# Altium PCB RobotCtrl.PcbDoc (part 1 of 2)
Units mil, origin at the board's own origin, x right, y up, seen from the top; angles counter-clockwise.
Board outline 4952 x 3089 mil, 2 copper layers (Top Layer, Bottom Layer); 127 components, 102 nets, 567 pads, 140 vias.
Unrouted connection lines stored in the file: 14.
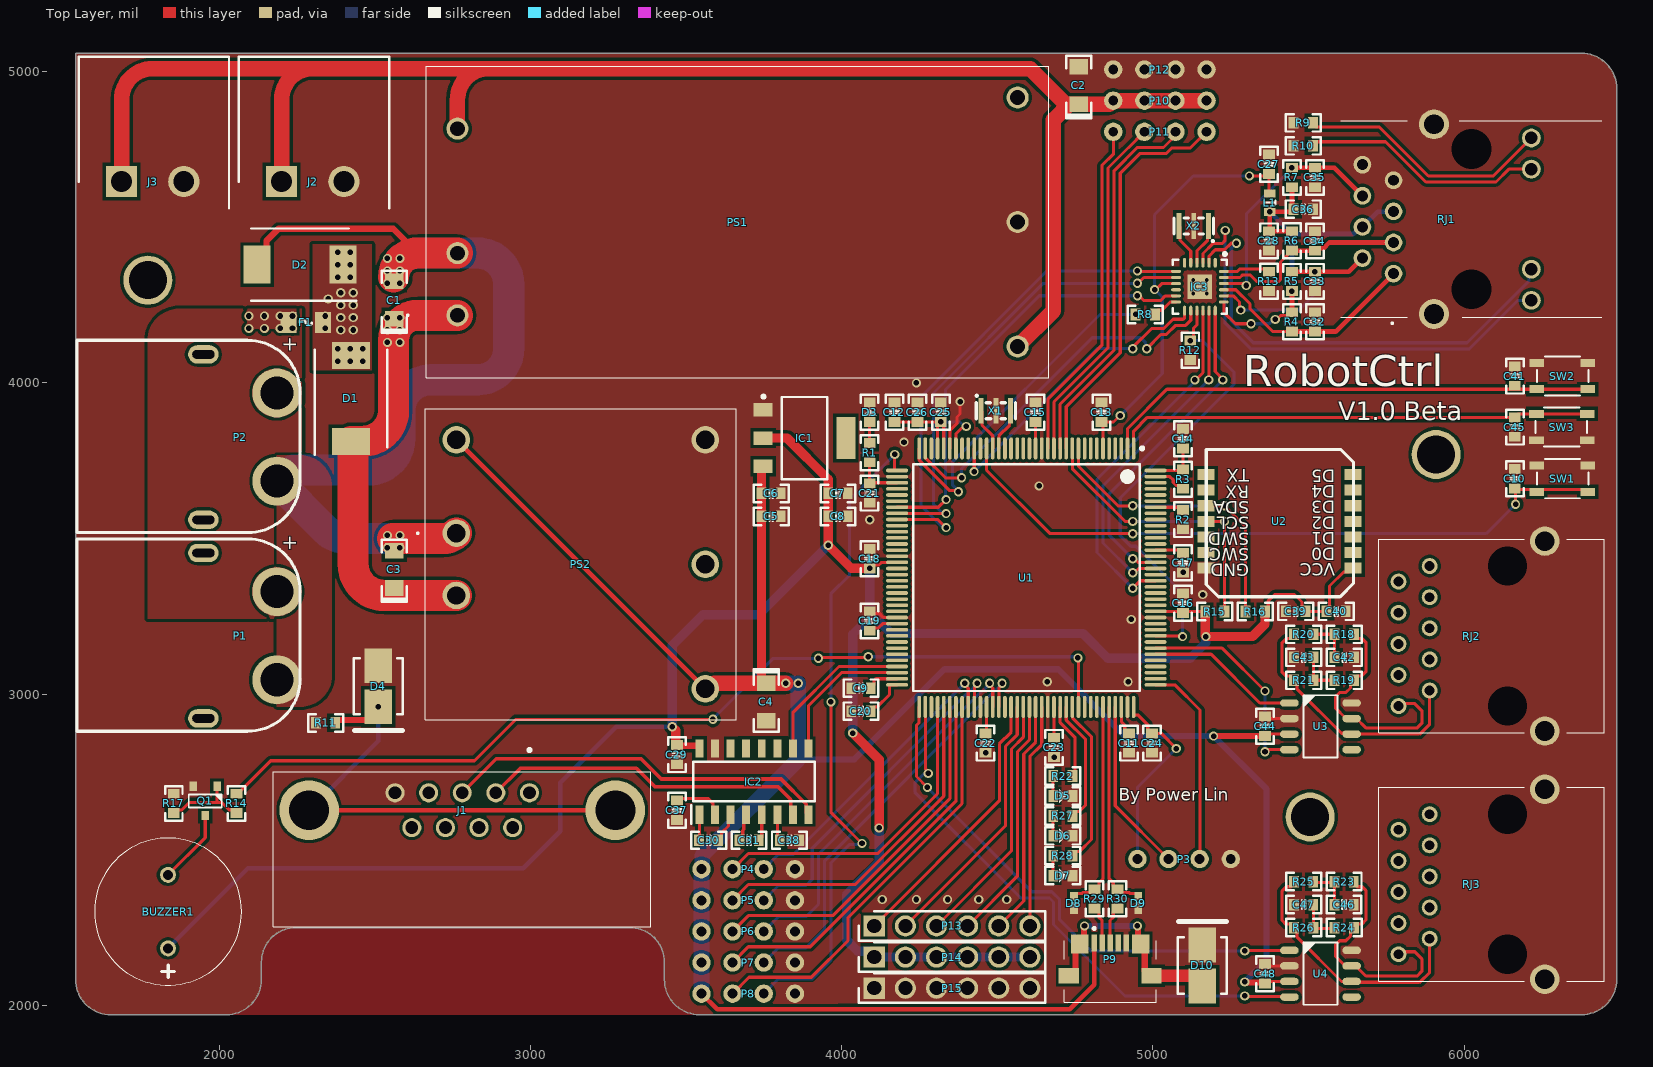
[diagram p0: Top Layer view]
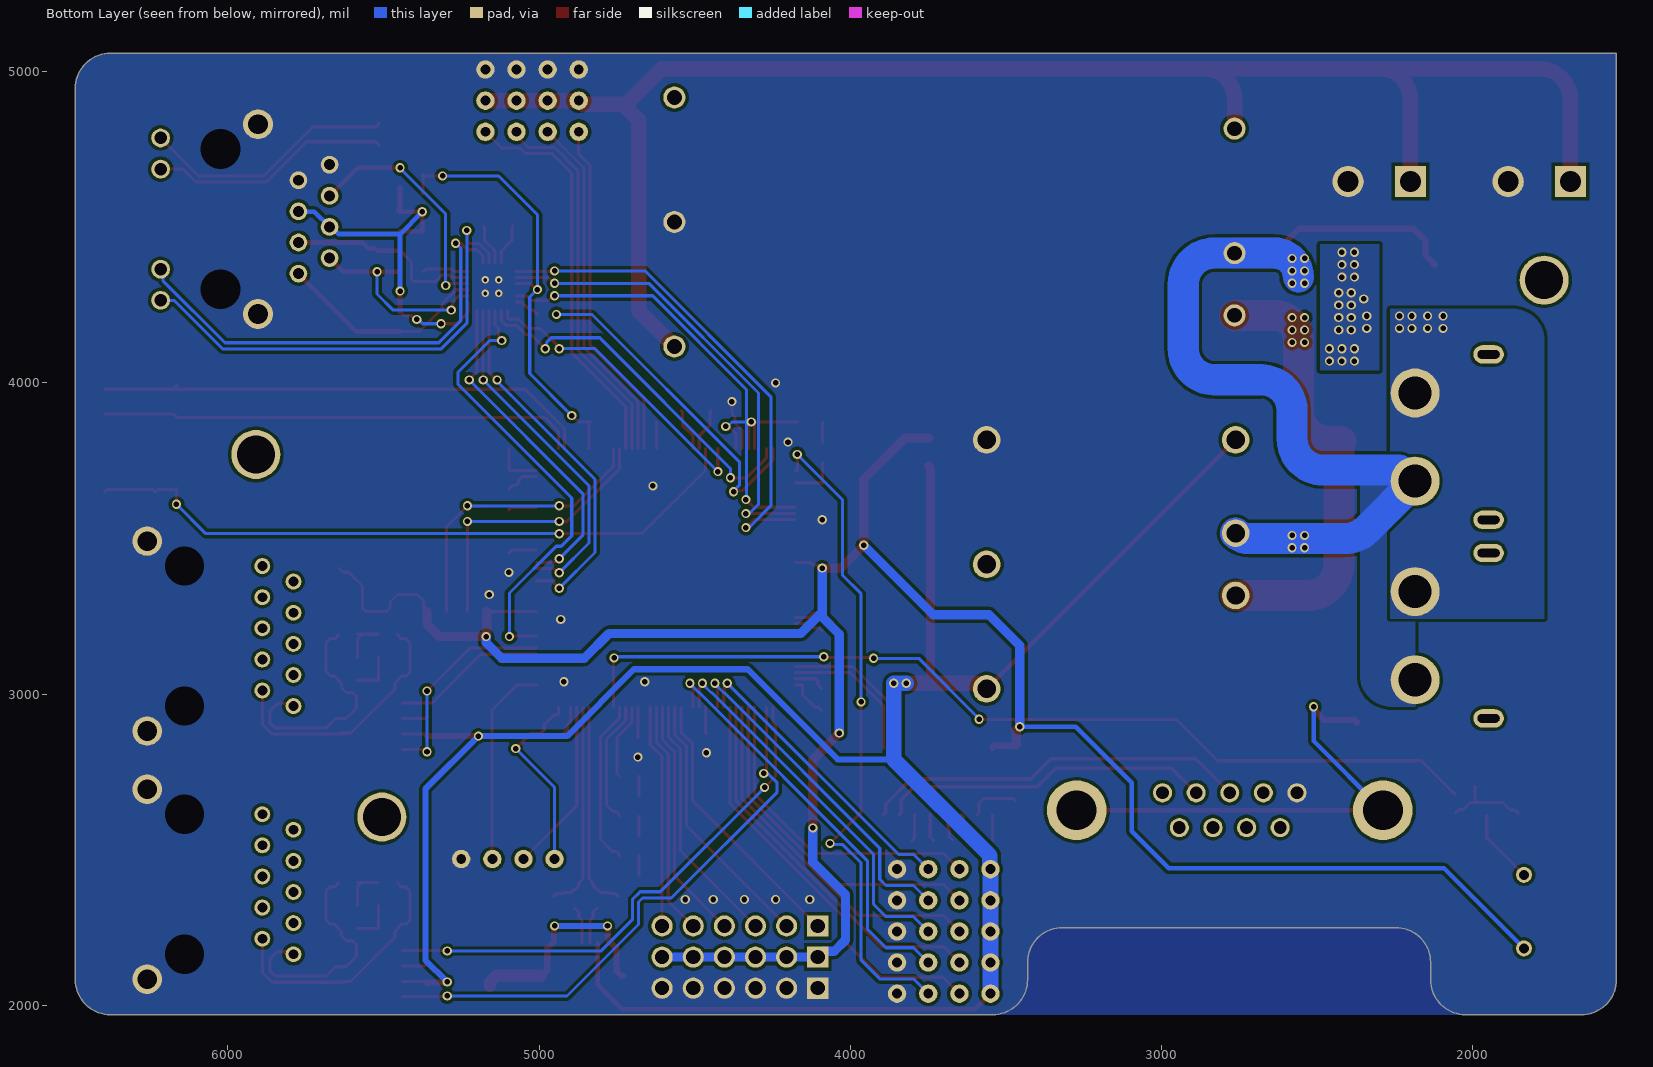
[diagram p1: Bottom Layer view, seen from below]
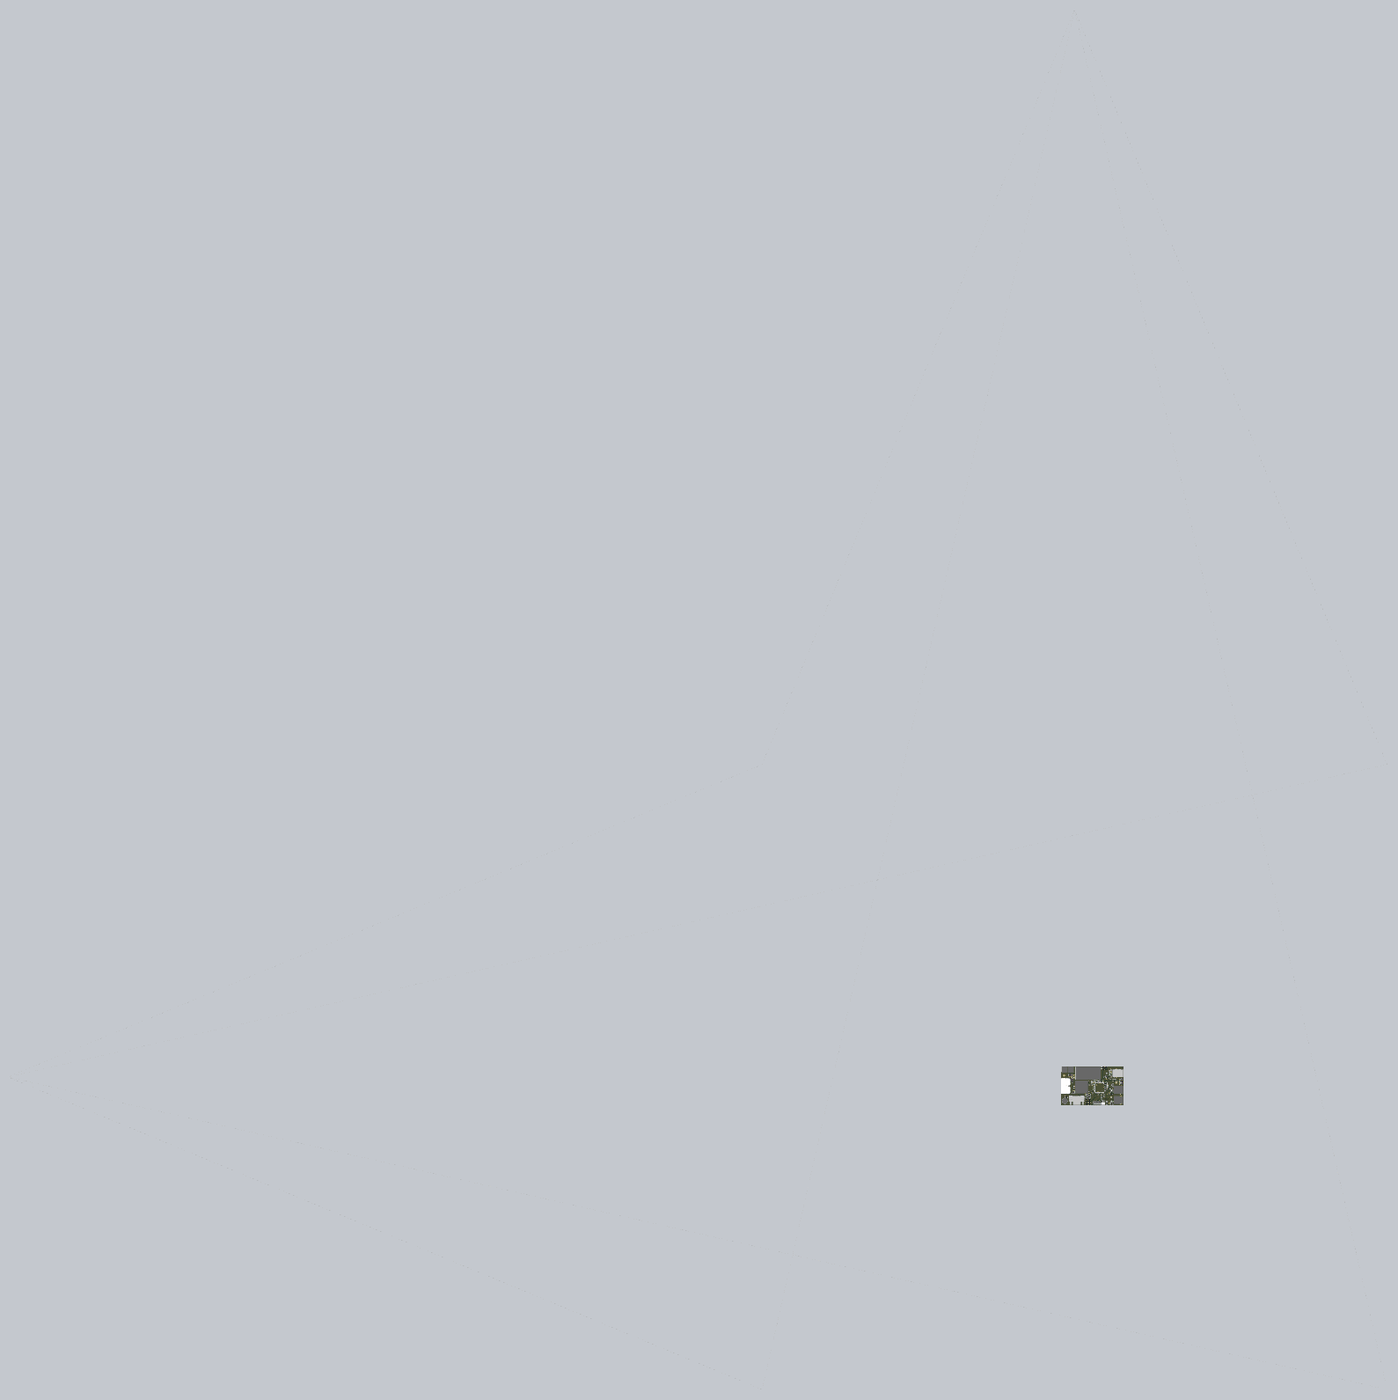
[diagram p3: 3D render of the assembled board from above, using the file's embedded part models]

## Layer stack, top to bottom
Top Solder: solder mask 0.4, Solder Resist, Dk 3.5
Top Layer: signal copper 1.4
Dielectric 1: dielectric 12.6, FR-4, Dk 4.8
Bottom Layer: signal copper 1.4
Bottom Solder: solder mask 0.4, Solder Resist, Dk 3.5

## Board outline
1650,1970 cw(c1650,2082) 1538,2082 1538,5059 6378,5059 cw(c6378,4947) 6490,4947 6490,2082 cw(c6378,2082) 6378,1970 3542,1970 cw(c3542,2082) 3430,2082 3430,2138 ccw(c3318,2138) 3318,2250 2247,2250 ccw(c2247,2138) 2135,2138 2135,2082 cw(c2023,2082) 2023,1970

## Design rules (kind name [scope] priority, off if disabled: settings)
Clearance Clearance_2 [InNamedPolygon('NONET_L01_P-001') Or InNamedPolygon('NONET_L01_P-001')] p1: gap=10 ignorepadtopadclearanceinfootprint=FALSE except(0: Arc-Hole Track-Hole SMDPad-Hole THPad-Hole Via-Hole Fill-Hole Poly-Hole Region-Hole Text-Hole)
Clearance Clearance_1 [InNamedPolygon('NONET_L01_P-001') Or InNamedPolygon('NONET_L01_P-001')] p2: gap=10 ignorepadtopadclearanceinfootprint=FALSE except(0: Arc-Hole Track-Hole SMDPad-Hole THPad-Hole Via-Hole Fill-Hole Poly-Hole Region-Hole Text-Hole)
Clearance [All] p3: gap=10 ignorepadtopadclearanceinfootprint=FALSE except(2: Arc-SMDPad Track-SMDPad SMDPad-SMDPad; 9.6: Arc-Arc Arc-Track Track-Track; 15: Arc-Fill Arc-Poly Arc-Region Track-Fill Track-Poly Track-Region SMDPad-Fill SMDPad-Poly SMDPad-Region THPad-Fill THPad-Poly THPad-Region Via-Fill Via-Poly Via-Region Fill-Fill Fill-Poly Fill-Region Poly-Poly Poly-Region Region-Region)
DiffPairsRouting [All] p1: maxlimit=10 minlimit=10 mostfreqgap=10 toplayer_minwidth=10 toplayer_maxwidth=15 toplayer_prefwidth=15 bottomlayer_minwidth=10 bottomlayer_maxwidth=15 bottomlayer_prefwidth=15 maxuncoupledlength=500
PlaneConnect [All] p1: planeconnectstyle=Direct reliefexpansion=20 reliefentries=4 reliefconductorwidth=10 reliefairgap=10
PolygonConnect [All] p1: connectstyle=Direct reliefconductorwidth=10 reliefentries=4 polygonreliefangle="90 Angle" airgapwidth=10
RoutingVias [All] p1: holewidth=17.72 width=29.53 viastyle="Through Hole" minholewidth=17.72 minwidth=29.53 maxholewidth=17.72 maxwidth=29.53
SolderMaskExpansion [All] p1: expansion=4 istentingtop=FALSE
Width [All] p1: maxlimit=1000 minlimit=10 preferedwidth=10
28 further rules are at their usual default settings.

## Classes and differential pairs
component class U_Power: C1 C2 C3 C4 C5 C6 C7 C8 D1 D2 D3 F1 IC1 J2 J3 P1 P2 PS1 PS2 R1
component class U_MCU: C9 C10 C11 C12 C13 C14 C15 C16 C17 C18 C19 C20 C21 C22 C23 C24 C25 C26 P3 R2 R3 SW1 U1 X1
component class U_Dev: BUZZER1 C27 C28 C29 C30 C31 C32 C33 C34 C35 C36 C37 C38 C39 C40 C41 C42 C43 C44 C45 C46 C47 C48 D4 D5 D6 D7 D8 D9 D10 IC2 IC3 J1 L1 P4 P5 P6 P7 P8 P9 P10 P11 P12 P13 P14 P15 Q1 R4 R5 R6 R7 R8 R9 R10 R11 R12 R13 R14 R15 R16 R17 R18 R19 R20 R21 R22 R23 R24 R25 R26 R27 R28 R29 R30 RJ1 RJ2 RJ3 SW2 SW3 U2 U3 U4 X2
differential pair USB_D: +USB_D_P -USB_D_N
differential pair CAN2: +CAN2_P -CAN2_N
differential pair CAN1: +CAN1_P -CAN1_N

## Components (designator, comment, footprint, x,y, rotation, side; value= is the part's Value field where it differs from the comment)
BUZZER1 "TMB12A12" DIP,P=7.6mm 1835,2299.2 r90 top
C1 "100nF" CAP-AUX-3216 2570,4250 r270 top
C2 "100nF" CAP-AUX-3216 4770,4940 r270 top
C3 "100nF" CAP-AUX-3216 2570,3385 r270 top
C4 "100nF" CAP-AUX-3216 3749,2990.66 r90 top
C5 "10uF" CAP-0603 3772.94,3571.23 r180 top
C6 "100nF" CAP-0603 3772.94,3645.11 r180 top
C7 "100nF" CAP-0603 3987.83,3645.11 r180 top
C8 "10uF" CAP-0603 3987.83,3571.23 r180 top
C9 "2.2uF" CAP-0603 4061.72,3018.88 r180 top
C10 "100nF" CAP-0603 6162.8,3692.23 r270 top
C11 "2.2uF" CAP-0603 4923.29,2842.59 r270 top
C12 "10uF" CAP-0603 4169.41,3905.71 r270 top
C13 "100nF" CAP-0603 4835,3905.71 r270 top
C14 "100nF" CAP-0603 5096.84,3820.67 r270 top
C15 "100nF" CAP-0603 4622.18,3905.71 r270 top
C16 "100nF" CAP-0603 5096.84,3292.12 r270 top
C17 "100nF" CAP-0603 5096.84,3422 r90 top
C18 "100nF" CAP-0603 4089.72,3435 r270 top
C19 "100nF" CAP-0603 4089.72,3235 r270 top
C20 "100nF" CAP-0603 4061.72,2945 r0 top
C21 "100nF" CAP-0603 4089.72,3645.95 r90 top
C22 "100nF" CAP-0603 4462.18,2842.59 r90 top
C23 "100nF" CAP-0603 4682.4,2828.67 r90 top
C24 "100nF" CAP-0603 4997.18,2842.59 r90 top
C25 "1uF" CAP-0603 4318.29,3905.71 r270 top
C26 "100nF" CAP-0603 4243.29,3905.71 r270 top
C27 "100nF" CAP-0603 5372.72,4702.39 r270 top
C28 "100nF" CAP-0603 5372.72,4456.2 r90 top
C29 "100nF" CAP-0603 3470.23,2805.71 r90 top
C30 "100nF" CAP-0603 3572.12,2530.4 r180 top
C31 "100nF" CAP-0603 3702,2530.4 r180 top
C32 "10pF" CAP-0603 5520.48,4196.2 r270 top
C33 "10pF" CAP-0603 5520.48,4326.08 r90 top
C34 "10pF" CAP-0603 5520.48,4455.97 r270 top
C35 "10pF" CAP-0603 5520.48,4660.08 r90 top
C36 "22nF" CAP-0603 5483.06,4558.2 r180 top
C37 "100nF" CAP-0603 3470.23,2627 r90 top
C38 "100nF" CAP-0603 3831.89,2530.4 r180 top
C39 "10uF" CAP-0603 5458.77,3266.06 r180 top
C40 "100nF" CAP-0603 5588.65,3266.06 r0 top
C41 "100nF" CAP-0603 6162.8,4022 r270 top
C42 "47nF" CAP-0603 5614.41,3118.3 r0 top
C43 "47nF" CAP-0603 5484.53,3118.3 r180 top
C44 "100nF" CAP-0603 5360.4,2896.47 r270 top
C45 "100nF" CAP-0603 6162.8,3858.1 r90 top
C46 "47nF" CAP-0603 5613.97,2323.47 r0 top
C47 "47nF" CAP-0603 5484.08,2323.47 r180 top
C48 "100nF" CAP-0603 5360.4,2101.64 r270 top
D1 "SS56" DO-214AB/SMC 2422.9,3949.96 r90 top
D2 "TPSMCJ30CA" DO-214AB/SMC 2259.22,4379.86 r180 top
D3 "RED" LED-0603 4089.72,3905.71 r90 top
D4 "SMBJ12CA" DO-214AA/SMB 2510.89,3025.27 r90 top
D5 "GREEN" LED-0603 4710.4,2672.67 r0 top
D6 "GREEN" LED-0603 4710.4,2544.67 r0 top
D7 "GREEN" LED-0603 4710.4,2416.67 r0 top
D8 "PESD0402-140" D-0402 4745.73,2328.47 r90 top
D9 "PESD0402-140" D-0402 4952.72,2328.47 r90 top
D10 "SMBJ15CA" DO-214AA/SMB 5158.71,2127.94 r270 top
F1 "7A 32V 快断" FUSE_1206 2277.22,4194.24 r0 top
IC1 "AMS1117-3.3" SOT-223 3873.39,3798.89 r270 top
IC2 "SP3232EEN-L/TR" SOIC-16_150mil 3717.89,2719 r90 top
IC3 "LAN8720A-CP-TR" QFN-24-4x4 5150.9,4309.2 r270 top
J1 "D-DMR009PF-D002" "Through Hole,P=2.77mm" 2996.44,2682.93 r0 top locked
J2 "WJ2EDGRC-5.08-2P" SHDRRA2W105P0X508_1X2_1206X1220X830P 2200.07,4647 r0 top
J3 "WJ2EDGRC-5.08-2P" SHDRRA2W105P0X508_1X2_1206X1220X830P 1685.73,4647 r0 top
L1 "220R/2A/0.05DCR" L-0603 5375.13,4608.82 r270 top
P1 "XT30/60" XT60PW-M 2184.89,3046.02 r90 top locked
P2 "XT30/60" XT60PW-M 2184.89,3684.14 r90 top locked
P3 "HDR1x4_2.54" HDR1x4_2.54_180 5250,2470 r270 top
P4 "HDR1x4_2.54" HDR1x4_2.54_180 3549.3,2437.45 r90 top
P5 "HDR1x4_2.54" HDR1x4_2.54_180 3549.3,2337.45 r90 top
P6 "HDR1x4_2.54" HDR1x4_2.54_180 3549.3,2237.45 r90 top
P7 "HDR1x4_2.54" HDR1x4_2.54_180 3549.3,2137.45 r90 top
P8 "HDR1x4_2.54" HDR1x4_2.54_180 3549.3,2037.45 r90 top
P9 "MicroQTJ" USB-MICRO 4862.29,2122 r0 top
P10 "HDR1x4_2.54" HDR1x4_2.54_180 4872.35,4907 r90 top
P11 "HDR1x4_2.54" HDR1x4_2.54_180 5172.35,4807 r270 top
P12 "HDR1x4_2.54" HDR1x4_2.54_180 5172.35,5007 r270 top
P13 "HDR1x6" HDR1X6_2.54_180 4104.44,2255 r0 top
P14 "HDR1x6" HDR1X6_2.54_180 4104.44,2155 r0 top
P15 "HDR1x6" HDR1X6_2.54_180 4104.44,2055 r0 top
PS1 "URB2412LD-30WR3" URB2412LD30WR3 2765,4217 r0 top
PS2 "URB2405YMD-15WR3" URB2405YMD15WR3 2761.65,3517 r90 top locked
Q1 "S9013" SOT-23-3 1954.51,2656.66 r90 top
R1 "4.7k" R-0603 4089.72,3775.83 r270 top
R2 "10k" R-0603 5096.84,3560.9 r90 top
R3 "120R" R-0603 5096.84,3690.78 r270 top
R4 "49.9R" R-0603 5446.6,4196.2 r90 top
R5 "49.9R" R-0603 5446.6,4326.08 r270 top
R6 "49.9R" R-0603 5446.6,4456.32 r90 top
R7 "49.9R" R-0603 5446.6,4660.08 r270 top
R8 "510R" R-0603 4975,4220 r180 top
R9 "510R" R-0603 5483.06,4835.85 r0 top
R10 "510R" R-0603 5483.06,4761.97 r0 top
R11 "10k" R-0603 2341.54,2907.6 r0 top
R12 "10k" R-0603 5120,4105 r270 top
R13 "12k" R-0603 5372.72,4326.32 r270 top
R14 "1k" R-0603 2055.46,2648.6 r270 top
R15 "4.7k" R-0603 5199,3265.23 r180 top
R16 "4.7k" R-0603 5328.88,3265.23 r0 top
R17 "10k" R-0603 1853.56,2648.6 r270 top
R18 "60R" R-0603 5614.41,3192.18 r180 top
R19 "60R" R-0603 5614.41,3044.41 r0 top
R20 "60R" R-0603 5484.53,3192.18 r180 top
R21 "60R" R-0603 5484.53,3044.41 r0 top
R22 "4.7k" R-0603 4710.4,2736.67 r0 top
R23 "60R" R-0603 5614.08,2397.36 r180 top
R24 "60R" R-0603 5614.41,2249.59 r0 top
R25 "60R" R-0603 5484.2,2397.36 r180 top
R26 "60R" R-0603 5484.53,2249.59 r0 top
R27 "4.7k" R-0603 4710.4,2608.67 r0 top
R28 "4.7k" R-0603 4710.4,2480.67 r0 top
R29 "10R" R-0603 4812.29,2342.14 r270 top
R30 "10R" R-0603 4886.17,2342.14 r270 top
RJ1 "HR911105A" HR911105A 5773.06,4351.2 r270 top
RJ2 "R-RJ45R10P-B000" RRJ45R10PB000 5789.08,2961.47 r270 top
RJ3 "R-RJ45R10P-B000" RRJ45R10PB000 5789.08,2164.06 r270 top
SW1 "KEY" KEY-4P-4.2*3.4*2.5 6315,3692.23 r180 top
SW2 "KEY" KEY-4P-4.2*3.4*2.5 6315,4022 r180 top
SW3 "KEY" KEY-4P-4.2*3.4*2.5 6314.06,3858.1 r0 top
U1 "STM32F407ZET6" STM-LQFP144_N 4593.28,3374.15 r270 top locked
U2 "WT931" WT931 6147.19,3951.15 r180 top
U3 "TJA1050" SOIC_8 5538.36,2896.47 r270 top
U4 "TJA1050" SOIC_8 5538.36,2101.65 r270 top
X1 "8MHz" SMD3213-3P 4495,3910.49 r0 top
X2 "25MHz" SMD3213-3P 5131.06,4504.2 r180 top

## Footprints (in the part's own frame and the unit in brackets; to place one, negate y for a bottom-side part, rotate by r counter-clockwise, add the part's x,y. Pads: shape width x height; smd on the part's side, far side on the other; paste and mask are expansions set on the pad)
CAP-0603 [mm]
  rect 0.8x0.96 smd: 1(-0.79,0) 2(0.79,0)
  silkscreen extent -1.42,-0.71 1.42,0.71, body extent -0.76,-0.39 0.76,0.39, height 0.9
CAP-AUX-3216 [mil] "îãµçÈÝ1206´óÐ¡"
  rect 50x60 smd: 1(44,-8) 2(-76,-8)
  silkscreen extent -111,-48 89,32, body extent -82,-45 52,26, height 67
D-0402 [mm]
  rect 0.7x0.65 smd: 1(-0.55,0) 2(0.55,0)
  silkscreen extent 0,-0.15 0,0.15, body extent -0.5,-0.25 0.5,0.25, height 0.43
DIP,P=7.6mm [mm]
  round 1.3 hole 0.8: 1(-2.952,0) 2(3.048,0)
  silkscreen extent -5.95,-6 6.04,6, body extent -5.95,-6 6.05,6, height 9.9
DO-214AA/SMB [mm]
  rect 2.85x2.25 smd: 1(1.675,0) 2(-1.675,0)
  silkscreen extent -3.6,-2 2.3,2, body extent -2.5,-1.97 2.5,1.97, height 2.44
DO-214AB/SMC [mm]
  rect 2.2x3.1 smd: 1(3.5,0) 2(-3.5,0)
  silkscreen extent -4.6,-2.95 3.97,2.95, body extent -3.97,-2.95 3.97,2.95, height 2.5
FUSE_1206 [mm]
  rect 1.3x1.7 smd: 1(-1.4,0) 2(1.4,0)
  silkscreen extent -0.53,-0.23 0.51,0.23, body extent -1.6,-0.8 1.6,0.8, height 1.01
HDR1x4_2.54_180 [mm]
  round 1.5 hole 0.813: 1(0,0) 2(0,-2.54) 3(0,-5.08) 4(0,-7.62)
  body extent -1.25,-8.89 1.25,1.27, height 8.2
HDR1X6_2.54_180 [mm]
  rect 1.725x1.725 hole 1.15: 1(0,0)
  round 1.725 hole 1.15: 2(2.54,0) 3(5.08,0) 4(7.62,0) 5(10.16,0) 6(12.7,0)
  silkscreen extent -1.27,-1.2 13.97,1.2, body extent -1.27,-1.2 13.97,1.2, height 8.58
HR911105A [mm]
  round 1.446 hole 0.89: 1(0,0) 2(-1.27,-2.54) 3(-2.54,0) 4(-3.81,-2.54) 5(-5.08,0) 6(-6.35,-2.54) 7(-7.62,0) 8(-8.89,-2.54)
  round 1.53 hole 1.02: 9(2.18,11.25) 10(-0.36,11.25) 11(-8.53,11.25) 12(-11.07,11.25)
  round 2.445 hole 1.63: MH1(3.3,3.3) MH2(-12.19,3.3)
  round 1.625 hole 3.25 unplated: MH3(1.27,6.35) MH4(-10.16,6.35)
  silkscreen extent -12.46,-4.3 4.1,17, body extent -12.39,-4.08 3.49,17.32, height 13.53
KEY-4P-4.2*3.4*2.5 [mm] "SKRPABE010"
  rect 1.2x0.65 smd: 1(-2.075,1.075) 1(2.075,1.075) 2(-2.075,-1.075) 2(2.075,-1.075)
  silkscreen extent -2.15,-1.6 2.05,1.6, body extent -2.35,-1.6 2.25,1.6, height 2.5
L-0603 [mm]
  rect 0.65x0.95 smd: 1(0,0) 2(1.5,0)
  silkscreen extent 0.57,-0.48 0.93,0.48, body extent -0.12,-0.48 1.63,0.48, height 0.35
LED-0603 [mm]
  rect 0.8x0.96 smd: 1(-0.79,0) 2(0.79,0)
  silkscreen extent -1.42,-0.71 1.42,0.71, body extent -0.81,-0.4 0.81,0.4, height 0.6
QFN-24-4x4 [mm] "QFN, 24-Leads, Body 4.00x4.00mm, Pitch 0.50mm, Thermal Pad 2.70x2.60mm, IPC Medium Density"
  oval 0.8x0.25 smd: 1(-1.95,1.25) 2(-1.95,0.75) 3(-1.95,0.25) 4(-1.95,-0.25) 5(-1.95,-0.75) 6(-1.95,-1.25) 13(1.95,-1.25) 14(1.95,-0.75) 15(1.95,-0.25) 16(1.95,0.25) 17(1.95,0.75) 18(1.95,1.25)
  oval 0.25x0.8 smd: 7(-1.25,-1.95) 8(-0.75,-1.95) 9(-0.25,-1.95) 10(0.25,-1.95) 11(0.75,-1.95) 12(1.25,-1.95) 19(1.25,1.95) 20(0.75,1.95) 21(0.25,1.95) 22(-0.25,1.95) 23(-0.75,1.95) 24(-1.25,1.95)
  rect 2x2 smd: 25(0,0)
  silkscreen extent -2.79,-2.2 2.2,2.2, body extent -2.07,-2.07 2.07,2.07, height 0.9
R-0603 [mm]
  rect 0.8x0.96 smd: 1(-0.79,0) 2(0.79,0)
  silkscreen extent -1.42,-0.71 1.42,0.71, body extent -0.76,-0.38 0.76,0.38, height 0.41
RRJ45R10PB000 [mm]
  round 1.3 hole 0.8: 1(0,0) 2(-1.27,2.54) 3(-2.54,0) 4(-3.81,2.54) 5(-5.08,0) 6(-6.35,2.54) 7(-7.62,0) 8(-8.89,2.54) 9(-10.16,0) 10(-11.43,2.54)
  round 1.6 hole 3.2 unplated: MH1(0,8.89) MH2(-11.43,8.89)
  round 2.4 hole 1.6: MH3(2.035,11.94) MH4(-13.465,11.94)
  silkscreen extent -13.61,-1.61 2.18,16.79, body extent -14.16,-1.61 2.74,16.79, height 13.45
SHDRRA2W105P0X508_1X2_1206X1220X830P [mm]
  rect 2.55x2.55 hole 1.7: 1(0,0)
  round 2.55 hole 1.7: 2(5.08,0)
  silkscreen extent -3.49,-2.2 8.77,10.2, body extent -3.49,-2.2 8.57,10, height 8.3
SMD3213-3P [mm]
  rect 0.4x2.1 smd: 1(-1.2,0) 2(0,0) 3(1.2,0)
  silkscreen extent -1.6,-0.65 1.6,1.27, body extent -1.6,-0.65 1.6,0.65, height 0.7
SOIC-16_150mil [mm]
  rect 1.5x0.65 smd: 1(-2.7,4.445) 2(-2.7,3.175) 3(-2.7,1.905) 4(-2.7,0.635) 5(-2.7,-0.635) 6(-2.7,-1.905) 7(-2.7,-3.175) 8(-2.7,-4.445) 9(2.7,-4.445) 10(2.7,-3.175) 11(2.7,-1.905) 12(2.7,-0.635) 13(2.7,0.635) 14(2.7,1.905) 15(2.7,3.175) 16(2.7,4.445)
  silkscreen extent -3.45,-4.95 1.6,5.12, body extent -3,-4.95 3,4.95, height 1.75
SOIC_8 [mil]
  oval 24x60 smd: 1(-75,-100.02) 2(-25,-100.02) 3(25,-100.02) 4(75,-100.02) 5(75,99.98) 6(25,99.98) 7(-25,99.98) 8(-75,99.98)
  silkscreen extent -100,-55 100,55, body extent -96,-118 96,118, height 69
SOT-23-3 [mil]
  rect 30x24 smd: 1(47,-38) 2(47,38) 3(-47,0)
  silkscreen extent -21,-53 21,53, body extent -55,-57 55,57, height 51
SOT-223 [mm]
  rect 1.1x1.55 smd: 1(-2.91,-3.197) 2(-0.61,-3.197) 3(1.69,-3.197)
  rect 3.45x1.55 smd: 4(-0.61,3.553)
  silkscreen extent -4.11,-3.3 2.74,2.03, body extent -3.88,-3.38 2.62,3.58, height 1.7
STM-LQFP144_N [mm] "Thin QFP, 144-Leads, Body 20x20mm, Pitch 0.5mm, IPC Medium Density"
  oval 1.8x0.3 smd: 1(-10.55,8.75) 2(-10.55,8.25) 3(-10.55,7.75) 4(-10.55,7.25) 5(-10.55,6.75) 6(-10.55,6.25) 7(-10.55,5.75) 8(-10.55,5.25) 9(-10.55,4.75) 10(-10.55,4.25) 11(-10.55,3.75) 12(-10.55,3.25) 13(-10.55,2.75) 14(-10.55,2.25) 15(-10.55,1.75) 16(-10.55,1.25) 17(-10.55,0.75) 18(-10.55,0.25) 19(-10.55,-0.25) 20(-10.55,-0.75) 21(-10.55,-1.25) 22(-10.55,-1.75) 23(-10.55,-2.25) 24(-10.55,-2.75) 25(-10.55,-3.25) 26(-10.55,-3.75) 27(-10.55,-4.25) 28(-10.55,-4.75) 29(-10.55,-5.25) 30(-10.55,-5.75) 31(-10.55,-6.25) 32(-10.55,-6.75) 33(-10.55,-7.25) 34(-10.55,-7.75) 35(-10.55,-8.25) 36(-10.55,-8.75) 73(10.55,-8.75) 74(10.55,-8.25) 75(10.55,-7.75) 76(10.55,-7.25) 77(10.55,-6.75) 78(10.55,-6.25) 79(10.55,-5.75) 80(10.55,-5.25) 81(10.55,-4.75) 82(10.55,-4.25) 83(10.55,-3.75) 84(10.55,-3.25) 85(10.55,-2.75) 86(10.55,-2.25) 87(10.55,-1.75) 88(10.55,-1.25) 89(10.55,-0.75) 90(10.55,-0.25) 91(10.55,0.25) 92(10.55,0.75) 93(10.55,1.25) 94(10.55,1.75) 95(10.55,2.25) 96(10.55,2.75) 97(10.55,3.25) 98(10.55,3.75) 99(10.55,4.25) 100(10.55,4.75) 101(10.55,5.25) 102(10.55,5.75) 103(10.55,6.25) 104(10.55,6.75) 105(10.55,7.25) 106(10.55,7.75) 107(10.55,8.25) 108(10.55,8.75)
  oval 0.3x1.8 smd: 37(-8.75,-10.55) 38(-8.25,-10.55) 39(-7.75,-10.55) 40(-7.25,-10.55) 41(-6.75,-10.55) 42(-6.25,-10.55) 43(-5.75,-10.55) 44(-5.25,-10.55) 45(-4.75,-10.55) 46(-4.25,-10.55) 47(-3.75,-10.55) 48(-3.25,-10.55) 49(-2.75,-10.55) 50(-2.25,-10.55) 51(-1.75,-10.55) 52(-1.25,-10.55) 53(-0.75,-10.55) 54(-0.25,-10.55) 55(0.25,-10.55) 56(0.75,-10.55) 57(1.25,-10.55) 58(1.75,-10.55) 59(2.25,-10.55) 60(2.75,-10.55) 61(3.25,-10.55) 62(3.75,-10.55) 63(4.25,-10.55) 64(4.75,-10.55) 65(5.25,-10.55) 66(5.75,-10.55) 67(6.25,-10.55) 68(6.75,-10.55) 69(7.25,-10.55) 70(7.75,-10.55) 71(8.25,-10.55) 72(8.75,-10.55) 109(8.75,10.55) 110(8.25,10.55) 111(7.75,10.55) 112(7.25,10.55) 113(6.75,10.55) 114(6.25,10.55) 115(5.75,10.55) 116(5.25,10.55) 117(4.75,10.55) 118(4.25,10.55) 119(3.75,10.55) 120(3.25,10.55) 121(2.75,10.55) 122(2.25,10.55) 123(1.75,10.55) 124(1.25,10.55) 125(0.75,10.55) 126(0.25,10.55) 127(-0.25,10.55) 128(-0.75,10.55) 129(-1.25,10.55) 130(-1.75,10.55) 131(-2.25,10.55) 132(-2.75,10.55) 133(-3.25,10.55) 134(-3.75,10.55) 135(-4.25,10.55) 136(-4.75,10.55) 137(-5.25,10.55) 138(-5.75,10.55) 139(-6.25,10.55) 140(-6.75,10.55) 141(-7.25,10.55) 142(-7.75,10.55) 143(-8.25,10.55) 144(-8.75,10.55)
  silkscreen extent -10.67,-9.25 9.25,9.58, body extent -10,-10 10,10, height 1.6
"Through Hole,P=2.77mm" [mil]
  round 61.46 hole 40.98: 1(0,0) 2(-107.99,0) 3(-215.98,0) 4(-323.98,0) 5(-431.97,0) 6(-54.02,-111.97) 7(-162.01,-111.97) 8(-270,-111.97) 9(-377.99,-111.97)
  round 192.01 hole 128: MH1(-707.99,-55.98) MH2(276.02,-55.98)
  silkscreen extent -822,-430 391,141, body extent -826,-679 394,65, height 477
URB2405YMD15WR3 [mm]
  round 2.25 hole 1.5: 1(7.62,0) 2(0,0) 3(-5.08,0) 4(-12.7,-20.32) 5(-2.54,-20.32) 6(7.62,-20.32)
  silkscreen extent -15.24,-22.86 10.16,3.2, body extent -15.24,-22.86 10.16,2.54, height 12.3
URB2412LD30WR3 [mm]
  round 1.8 hole 1.2: 1(0,15.24) 2(0,5.08) 3(0,0) 4(45.72,-2.54) 5(45.72,7.62) 6(45.72,17.78)
  silkscreen extent -4.1,-5.08 48.26,20.32, body extent -2.54,-5.08 48.26,20.32, height 16.9
USB-MICRO [mm]
  rect 0.45x1.38 smd: 1(-1.3,1.975) 2(-0.65,1.975) 3(0,1.975) 4(0.65,1.975) 5(1.3,1.975)
  rect 1.65x1.3 smd: EH(-3.375,-0.685) EH(3.375,-0.685)
  rect 1.425x1.55 smd: EH(-2.487,1.89) EH(2.487,1.89)
  silkscreen extent -3.75,-2.84 3.75,3.26, body extent -3.9,-2.5 3.9,2.5, height 2.72
WT931 [mm]
  rect 1.4x0.9 smd: 1(12.812,13.866) 2(12.812,7.516) 3(12.812,8.786) 4(12.812,10.056) 5(12.812,6.246) 5(12.812,11.326) 6(12.812,12.596) 8(24.812,13.866) 9(24.812,12.596) 10(24.812,11.326) 11(24.812,10.056) 12(24.812,8.786) 13(24.812,7.516) 14(24.812,6.246)
  silkscreen extent 12.79,4.21 24.79,16.21, body extent 12.83,4.19 24.77,16.13, height 1.5
XT60PW-M [mm]
  oval 1.5x2.5 hole 0.7 slot 1.8 at 90 deg: 0(-3.15,6) 0(10.35,6)
  round 4 hole 2.7: 1(7.2,0) 2(0,0)
  silkscreen extent -4.2,-1.9 11.5,16.3, body extent -4.3,-1.95 11.6,16.35, height 8.45

## Part data
BUZZER1: library part BUZZER, "TMB12A12 有源蜂鸣器"
C1 C2 C3 C4: library part CAP-POL, "KM101M050F115A", Package=3528, SuppliersPartNumber=C16133, ComponentLink1Description=供应商链接, ComponentLink1URL=http://www.szlcsc.com/product/details_16815.html, Supplier=LC
C5 C6 C7 C8 C9 C10 C11 C12 C13 C14 C15 C16 C17 C18 C19 C20 C21 C22 C23 C24 C25 C26 C27 C28 C29 C30 C31 C32 C33 C34 C35 C36 C37 C38 C39 C40 C41 C42 C43 C44 C45 C46 C47 C48: library part CAP, "贴片电容", Package=0402, SuppliersPartNumber=C52923, ComponentLink1Description=供应商链接, ComponentLink1URL=http://www.szlcsc.com/product/details_53938.html, Supplier=LC
D1: library part DIODE_Schottky, "肖特基二极管"
D2 D4 D8 D9 D10: library part TVS_C
D3 D5 D6 D7: library part LED, "发光二极管", Package=0603, SuppliersPartNumber=C2290, ComponentLink1Description=供应商链接, ComponentLink1URL=http://www.szlcsc.com/product/details_2663.html, Supplier=LC
F1: library part Fuse, "0437007.WR"
IC1: library part AMS1117, "AMS1117-3.3 1.0A", Manufacturer_Name=Nexperia, Manufacturer_Part_Number=SI2302DS, Mouser Part Number=N/A, RS Part Number=7983053P, Datasheet Link=https://assets.nexperia.com/documents/data-sheet/SI2302DS.pdf, Height=1.1mm, Mouser Price/Stock=https://www.mouser.com/Search/Refine.aspx?Keyword=N%2FA, RS Price/Stock=http://uk.rs-online.com/web/p/products/7983053P
IC2: library part SP3232EEN, "RS232 芯片", Manufacturer_Name=MaxLinear, Mouser Part Number=701-SP3232EEN-L/TR, Arrow Part Number=SP3232EEN-L/TR, Arrow Price/Stock=https://www.arrow.com/en/products/sp3232een-ltr/maxlinear-inc, Datasheet Link=https://www.maxlinear.com/ds/sp3222e_sp3232e.pdf, Height=1.75mm, Manufacturer_Part_Number=SP3232EEN-L/TR, Mouser Price/Stock=https://www.mouser.co.uk/ProductDetail/MaxLinear/SP3232EEN-L-TR?qs=Hy8V1%2FADhVKNh9v9NvoeCw%3D%3D
IC3: "Integrated Circuit", Manufacturer_Name=Microchip, Mouser Part Number=886-LAN8720A-CP-TR, Arrow Part Number=LAN8720A-CP-TR, Arrow Price/Stock=https://www.arrow.com/en/products/lan8720a-cp-tr/microchip-technology?region=nac, Datasheet Link=https://componentsearchengine.com/Datasheets/1/LAN8720A-CP-TR.pdf, Height=1mm, Manufacturer_Part_Number=LAN8720A-CP-TR, Mouser Price/Stock=https://www.mouser.co.uk/ProductDetail/Microchip-Technology/LAN8720A-CP-TR?qs=pA5MXup5wxG3QiSvrqf%2FHQ%3D%3D
J1: library part DB9, "D-Sub 连接器", Arrow Part Number=5747844-5, Manufacturer_Name="TE Connectivity", Mouser Part Number=571-5747844-5, Arrow Price/Stock=https://www.arrow.com/en/products/5747844-5/te-connectivity, Datasheet Link=http://www.te.com/commerce/DocumentDelivery/DDEController?Action=srchrtrv&DocNm=82068_AMPLIMITE_Right-Angle_Posted_Conn&DocType=Catalog+Section&DocLang=English&PartCntxt=, Height=12.9286mm, Manufacturer_Part_Number=5747844-5, Mouser Price/Stock=https://www.mouser.co.uk/ProductDetail/TE-Connectivity/5747844-5?qs=x6EjVpvqMVPrkQsJHUlJGw%3D%3D
J2 J3: "Connector", Manufacturer_Name="Ningbo Kangnex", Datasheet Link=https://datasheet.lcsc.com/szlcsc/Ningbo-Kangnex-Elec-WJ2EDGRC-5-08-2P_C3697.pdf, Height=8.3mm, Manufacturer_Part_Number=WJ2EDGRC-5.08-2P
L1: library part BEAD, "BLM18KG221SN1D", Package=0402, SuppliersPartNumber=C32041, ComponentLink1Description=供应商链接, ComponentLink1URL=http://www.szlcsc.com/product/details_33003.html, Supplier=LC
P3 P4 P5 P6 P7 P8 P10 P11 P12: "Header"
P9: library part USB_MICRO, "USB_MICRO"
P13 P14 P15: library part HDR1x6_2.54, "Header"
PS1: "金升阳隔离电源", Manufacturer_Name=Mornsun, Manufacturer_Part_Number=URB2412LD-30WHR3, Datasheet Link=https://4donline.ihs.com/images/VipMasterIC/IC/MNSN/MNSN-S-A0002273855/MNSN-S-A0002273855-1.pdf?hkey=EF798316E3902B6ED9A73243A3159BB0, Height=16.8mm
PS2: "金升阳隔离电源", Manufacturer_Name=Mornsun, Manufacturer_Part_Number=URB2405YMD-10WR3, Datasheet Link=https://www.mornsun-power.com/html/pdf/URB2405YMD-10WR3.html, Height=12.2mm
Q1: library part BJT_NPN
R1 R2 R3 R4 R5 R6 R7 R8 R9 R10 R11 R12 R13 R14 R15 R16 R17 R18 R19 R20 R21 R22 R23 R24 R25 R26 R27 R28 R29 R30: library part RES, "贴片电阻", Package=0805, SuppliersPartNumber=C17798, Supplier=LC
RJ1: library part RJ45_LED
RJ2 RJ3: library part RJ45
SW1 SW2 SW3: "按键开关"
U1: "ARM Cortex-M4 32-bit MCU+FPU, 210 DMIPS, 512 kB Flash, 192 kB Internal RAM, 114 I/Os, 144-pin LQFP, -40 to 85 degC, Tray", I/Os (High Current)=114, Manufacturer=STMicroelectronics, Operating Frequency(F) (Processor speed) (MHz)=168, Supplier Part Number 1=497-11903-ND, Supply Voltage(Vcc) max (V)=3.6, Supply Voltage(Vcc) min (V)=1.8, ComponentLink1Description="Manufacturer URL", ComponentLink1URL=http://www.st.com/web/en/home.html, ComponentLink2Description=Datasheet, ComponentLink2URL=http://www.st.com/st-web-ui/static/active/en/resource/technical/document/datasheet/DM00037051.pdf, ComponentLink3Description="Package Specification", ComponentLink3URL=http://www.st.com/st-web-ui/static/active/en/resource/technical/document/datasheet/DM00037051.pdf, Core="ARM Cortex-M4", D/A Converter=2x12-bit, DatasheetVersion="Rev. 4", FLASH Size (Prog) (kB)=512, Internal RAM Size (kB)=192, Mounting Technology="Surface Mount", PackageDescription="144-Pin Low Profile Quad Flat Package, 20 x 20 mm Body, 0.5 mm Pitch", PackageReference=LQFP144, PackageVersion="Rev. 4, 06/2013", Packing=Tray, PartNumber=STM32F407ZET6, Supplier 1=Digi-Key, Supplier 2=Farnell, Supplier 3=Newark, Supplier 4=Newark, Supplier 5=Mouser, Supplier Part Number 2=2215229, Supplier Part Number 3=46W2203, Supplier Part Number 4=87T3795, Supplier Part Number 5=511-STM32F407ZET6
U2: "陀螺仪模组"
U3 U4: "CAN 控制器（5V）"
X1: library part XTAL, "CSTCE8M00G15C99-R0"
X2: library part XTAL, "CSTCE25M00G51-R0"

## Free pads (board coordinates)
  round 157.48 hole 122.05: 2(1770,4330) 2(5505,2605) 2(5910,3770)

## Via types
v1: diameter 29.53, hole 17.72, Top Layer to Bottom Layer, 136 vias
v2: diameter 23.86, hole 11.81, Top Layer to Bottom Layer, 4 vias

## Nets (pads, with @x,y where several pads share a name; then routed paths per layer and width w, separated by ;. In a path a pad name is that pad's centre, name@x,y a point inside that pad or via, vN(x,y) a via of type N, cw(c..) or ccw(c..) an arc to the next point about the centre after c; other vN are vias at no path point)
CAN1_N: R20.2 R21.1 RJ2.2 U3.6 | length 846.9
  Top Layer w10: R20.2@5453.42,3192.18 5453.42,3189.03 5442.68,3178.28 5428.28,3178.28 5415,3165 5415,3070 5426.69,3058.31 5442.68,3058.31 5453.42,3047.56 R21.1@5453.42,3044.41 5462.43,3035.4 5462.43,3017.56 5605.86,2874.14 5623.04,2874.14 5635.67,2874.14 U3.6@5638.35,2871.47 ; U3.6@5623.04,2871.64 5638.35,2871.64 5852.5,2871.64 ; 5857.5,2871.47 5889.08,2903.05 RJ2.2@5889.08,3011.47
CAN1_P: R18.1 R19.2 RJ2.1 U3.7 | length 761
  Top Layer w10: R18.1@5645.51,3192.18 5645.51,3189.03 5656.26,3178.28 5672.25,3178.28 5683.94,3166.59 5683.94,3071.59 5670.65,3058.31 5656.26,3058.31 5645.51,3047.56 R19.2@5645.51,3044.41 5634.76,3033.66 5634.76,3019.76 5620,3005 5600,3005 5586.17,2991.17 5586.17,2955.64 5620.35,2921.47 U3.7@5638.35,2921.47 5654.2,2921.47 5684.2,2891.47 5849.22,2891.47 5864.08,2906.33 5864.08,2946.47 5841.2,2969.35 5796.96,2969.35 RJ2.1@5789.08,2961.47
CAN2_N: R25.2 R26.1 RJ3.2 U4.6 | length 846.9
  Top Layer w10: R25.2@5453.42,2394.77 5453.42,2391.62 5442.68,2380.87 5428.28,2380.87 5415,2367.59 5415,2272.59 5426.69,2260.9 5442.68,2260.9 5453.42,2250.15 5453.42,2247 5462.43,2237.99 5462.43,2220.15 5605.86,2076.73 5623.04,2076.73 5635.67,2076.73 U4.6@5638.35,2074.05 ; U4.6@5623.04,2074.23 5638.35,2074.23 5852.5,2074.23 ; 5857.5,2074.05 5889.08,2105.63 RJ3.2@5889.08,2214.06
CAN2_P: R23.1 R24.2 RJ3.1 U4.7 | length 761
  Top Layer w10: R23.1@5645.51,2394.77 5645.51,2391.62 5656.26,2380.87 5672.25,2380.87 5683.94,2369.18 5683.94,2274.18 5670.65,2260.9 5656.26,2260.9 5645.51,2250.15 5645.51,2247 5634.76,2236.25 5634.76,2222.35 5620,2207.59 5600,2207.59 5586.17,2193.76 5586.17,2158.23 5620.35,2124.05 5638.35,2124.05 5654.2,2124.05 5684.2,2094.06 5849.22,2094.06 5864.08,2108.92 5864.08,2149.06 5841.2,2171.94 5796.96,2171.94 RJ3.1@5789.08,2164.06
GBAT: C1.2 C3.2 D2.1 P1.2 P2.2 PS1.2 PS2.2 | length 3433.1
  Top Layer w20: D2.1@2121.43,4379.86 2151.52,4409.96 2151.52,4456.52 2190,4495 2558.87,4495 2636.87,4417
  Top Layer w100: 2557,3500 2720.61,3500 ccw(c2720.61,3558.04) PS2.2@2761.65,3517 ; C1.2@2560.12,4340.25 cw(c2636.87,4340.25) 2636.87,4417 PS1.2@2765,4417
  Bottom Layer w100: 2560,4340 cw(c2637,4340) 2637,4417 PS1.2@2765,4417 2830,4417 cw(c2830,4317) 2930,4317 2930,4110 cw(c2830,4110) 2830,4010 2680,4010 ccw(c2680,3910) 2580,3910 2580,3820 cw(c2480,3820) 2480,3720 2236.3,3720 2200.44,3684.14 P2.2@2184.89,3684.14 2339.73,3529.29 ccw(c2410.44,3600) 2410.44,3500 2720.61,3500 ccw(c2720.61,3558.04) PS2.2@2761.65,3517
  other v1: 2540,3470 2580,3470 2540,3510 2580,3510 2540,4320 2580,4320 2540,4360 2580,4360 2540,4400 2580,4400
GND: C2.2 C4.2 C5.1 C6.1 C7.1 C8.1 C9.2 C10.1 C11.2 C12.1 C13.1 C14.1 C15.1 C16.1 C17.1 C18.1 C19.1 C20.1 C21.1 C22.1 C23.1 C24.1 C25.1 C26.1 C27.1 C28.1 C29.1 C32.1 C33.1 C34.1 C35.1 C36.1 C37.1 C38.1 C39.2 C40.2 C41.1 C42.2 C43.2 C44.1 C45.1 C46.2 C47.2 C48.1 D3.2 D4.1 D5.2 D6.2 D7.2 D8.1 D9.1 D10.2 IC1.1 IC2.15 IC3.25 J1.5 J2.2 J3.2 P3.1 P4.4 P5.4 P6.4 P7.4 P8.4 P9.5 P12.1 P12.2 P12.3 P12.4 P15.1 P15.2 P15.3 P15.4 P15.5 P15.6 PS1.5 PS2.6 Q1.2 R2.1 R9.1 R10.1 R11.1 R12.2 R13.2 R17.1 RJ1.7 RJ1.8 RJ1.MH1 RJ1.MH2 RJ1.MH3 RJ1.MH4 RJ2.MH1 RJ2.MH2 RJ2.MH3 RJ2.MH4 RJ3.MH1 RJ3.MH2 RJ3.MH3 RJ3.MH4 SW1.2 SW2.2 SW3.2 U1.16 U1.31 U1.38 U1.51 U1.61 U1.83 U1.94 U1.107 U1.120 U1.130 U2.8 U3.2 U3.8 U4.2 U4.8 X1.2 X2.2 | length 412.8
  Top Layer w10: C19.1@4089.72,3266.1 4095.82,3260 4120,3260 4133.8,3246.2 U1.61@4177.93,3246.2 ; U1.31@4347.22,3789.51 4347.22,3847.22 4370.24,3870.24 4370.24,3890.24 4380,3900 v1(4380,3940) ; C44.1@5360.4,2927.57 5366.5,2921.47 U3.2@5438.35,2921.47 ; C48.1@5366.5,2126.64 U4.2@5438.35,2126.64
  other v1: 4130,2340 4240,2340 4340,2340 4440,2340 4530,2340 4682.4,2797.57 4462.18,2811.49 4660,3040 4920,3040 4930,3240 5160,3320 5096.84,3390.9 4090,3560 4634,3669 4200,3810 4240,4000
  other v2: 5129.25,4287.55 5172.56,4287.55 5129.25,4330.85 5172.56,4330.85
LED_LINK: IC3.3 RJ1.9 | length 1531.8
  Top Layer w10: IC3.3@5160.75,4385.97 5160.75,4415.85 5192.49,4447.6 5221.6,4447.6 5232,4458 v1(5232,4490)
  Bottom Layer w10: v1(5232,4490) 5232,4191.28 5313.88,4109.4 6017.12,4109.4 6173.09,4265.37 RJ1.9@6215.98,4265.37
LED_SPEED: IC3.2 RJ1.10 | length 1491.5
  Top Layer w10: IC3.2@5180.43,4385.97 5180.51,4386.05 5180.51,4407.9 5200.61,4428 5230,4428 5251,4449 v1(5268,4449)
  Bottom Layer w10: v1(5268,4449) 5251.6,4432.6 5251.6,4199.4 5322,4129 6009,4129 6208.77,4328.77 6208.77,4358.17 RJ1.10@6215.98,4365.37
NetBUZZER1_2: BUZZER1.2 Q1.3 | length 240
  Top Layer w10: BUZZER1.2@1835,2419.2 1954.51,2538.71 Q1.3@1954.51,2609.66
NetC9_1: C9.1 U1.71 | length 105.8
  Top Layer w10: C9.1@4092.82,3018.88 4103.57,3029.63 4103.57,3043.49 4109.43,3049.35 U1.71@4177.93,3049.35
NetC10_2: C10.2 SW1.1 U1.25 | length 2189.7
  Top Layer w10: U1.25@4465.33,3789.51 4465.33,3719.67 4669.53,3515.47 v1(4935,3515.47) ; v1(6165,3610) 6165,3658.93 C10.2@6162.8,3661.13 6166.9,3657.03 6226.19,3657.03 SW1.1@6233.31,3649.91 6240.4,3657 6389.6,3657 SW1.1@6396.69,3649.91
  Bottom Layer w10: v1(4935,3515.47) 6070.47,3515.47 v1(6165,3610)
NetC11_1: C11.1 U1.106 | length 97.3
  Top Layer w10: U1.106@4898.4,2958.8 4898.4,2911.6 4909.4,2900.6 4909.4,2884.44 4920.14,2873.69 C11.1@4923.29,2873.69
NetC30_1: C30.1 IC2.3 | length 98.7
  Top Layer w10: C30.1@3603.22,2530.4 3613.97,2541.15 3613.97,2553.97 3636.03,2576.03 3636.03,2605.84 IC2.3@3642.89,2612.7
NetC30_2: C30.2 IC2.1 | length 83.1
  Top Layer w10: C30.2@3541.02,2530.4 3542.89,2532.27 IC2.1@3542.89,2612.7
NetC31_1: C31.1 IC2.5 | length 86.4
  Top Layer w10: C31.1@3733.1,2530.4 3742.89,2540.18 IC2.5@3742.89,2612.7
NetC31_2: C31.2 IC2.4 | length 91.4
  Top Layer w10: C31.2@3670.9,2530.4 3681.65,2541.15 3681.65,2561.65 3685,2565 3685,2582.31 3685.09,2582.41 3685.09,2604.9 IC2.4@3692.89,2612.7
NetC32_2: C32.2 IC3.21 R4.1 RJ1.1 | length 687.3
  Top Layer w10: IC3.21@5227.68,4299.36 5266.46,4299.36 5311.76,4254.05 5311.76,4238.24 5384.9,4165.1 R4.1@5446.6,4165.1
  Top Layer w15: R4.1@5446.6,4165.1 C32.2@5520.48,4165.1 5586.96,4165.1 RJ1.1@5773.06,4351.2
NetC33_2: C33.2 IC3.20 R5.1 RJ1.2 | length 662.4
  Top Layer w10: IC3.20@5227.68,4279.67 5258.42,4279.67 5278.26,4259.83 5278.26,4237.74 v1(5282,4234)
  Top Layer w15: R5.1@5446.6,4357.19 v1(5520.48,4357.19) 5629.05,4357.19 RJ1.2@5673.06,4401.2
  Bottom Layer w10: v1(5282,4234) 5469,4234 5520.48,4285.48 v1(5520.48,4357.19)
NetC34_2: C34.2 IC3.23 R6.1 RJ1.3 | length 644.8
  Top Layer w10: IC3.23@5227.68,4338.73 5279.73,4338.73 5288,4347 5312,4347 5333,4326 5404.14,4326 5410,4331.86 5410,4388.61 5432.7,4411.32 5432.7,4414.47 5443.45,4425.21 R6.1@5446.6,4425.21
  Top Layer w15: R6.1@5446.6,4425.21 5446.77,4425.04 5520.31,4425.04 C34.2@5520.48,4424.87 5528.73,4433.11 5548.11,4433.11 5566.2,4451.2 RJ1.3@5773.06,4451.2
NetC35_2: C35.2 IC3.22 R7.1 RJ1.6 | length 777.5
  Top Layer w10: IC3.22@5227.68,4319.04 5288.67,4319.04 5294.72,4313 v1(5300,4313)
  Top Layer w15: v1(5446.6,4691.19) C35.2@5520.48,4691.19 5583.08,4691.19 RJ1.6@5673.06,4601.2
  Bottom Layer w10: v1(5300,4313) 5300,4543 5446.6,4689.6 v1(5446.6,4691.19)